# Altium PCB XXXX.687253.007.PcbDoc (part 1 of 2) (continued)
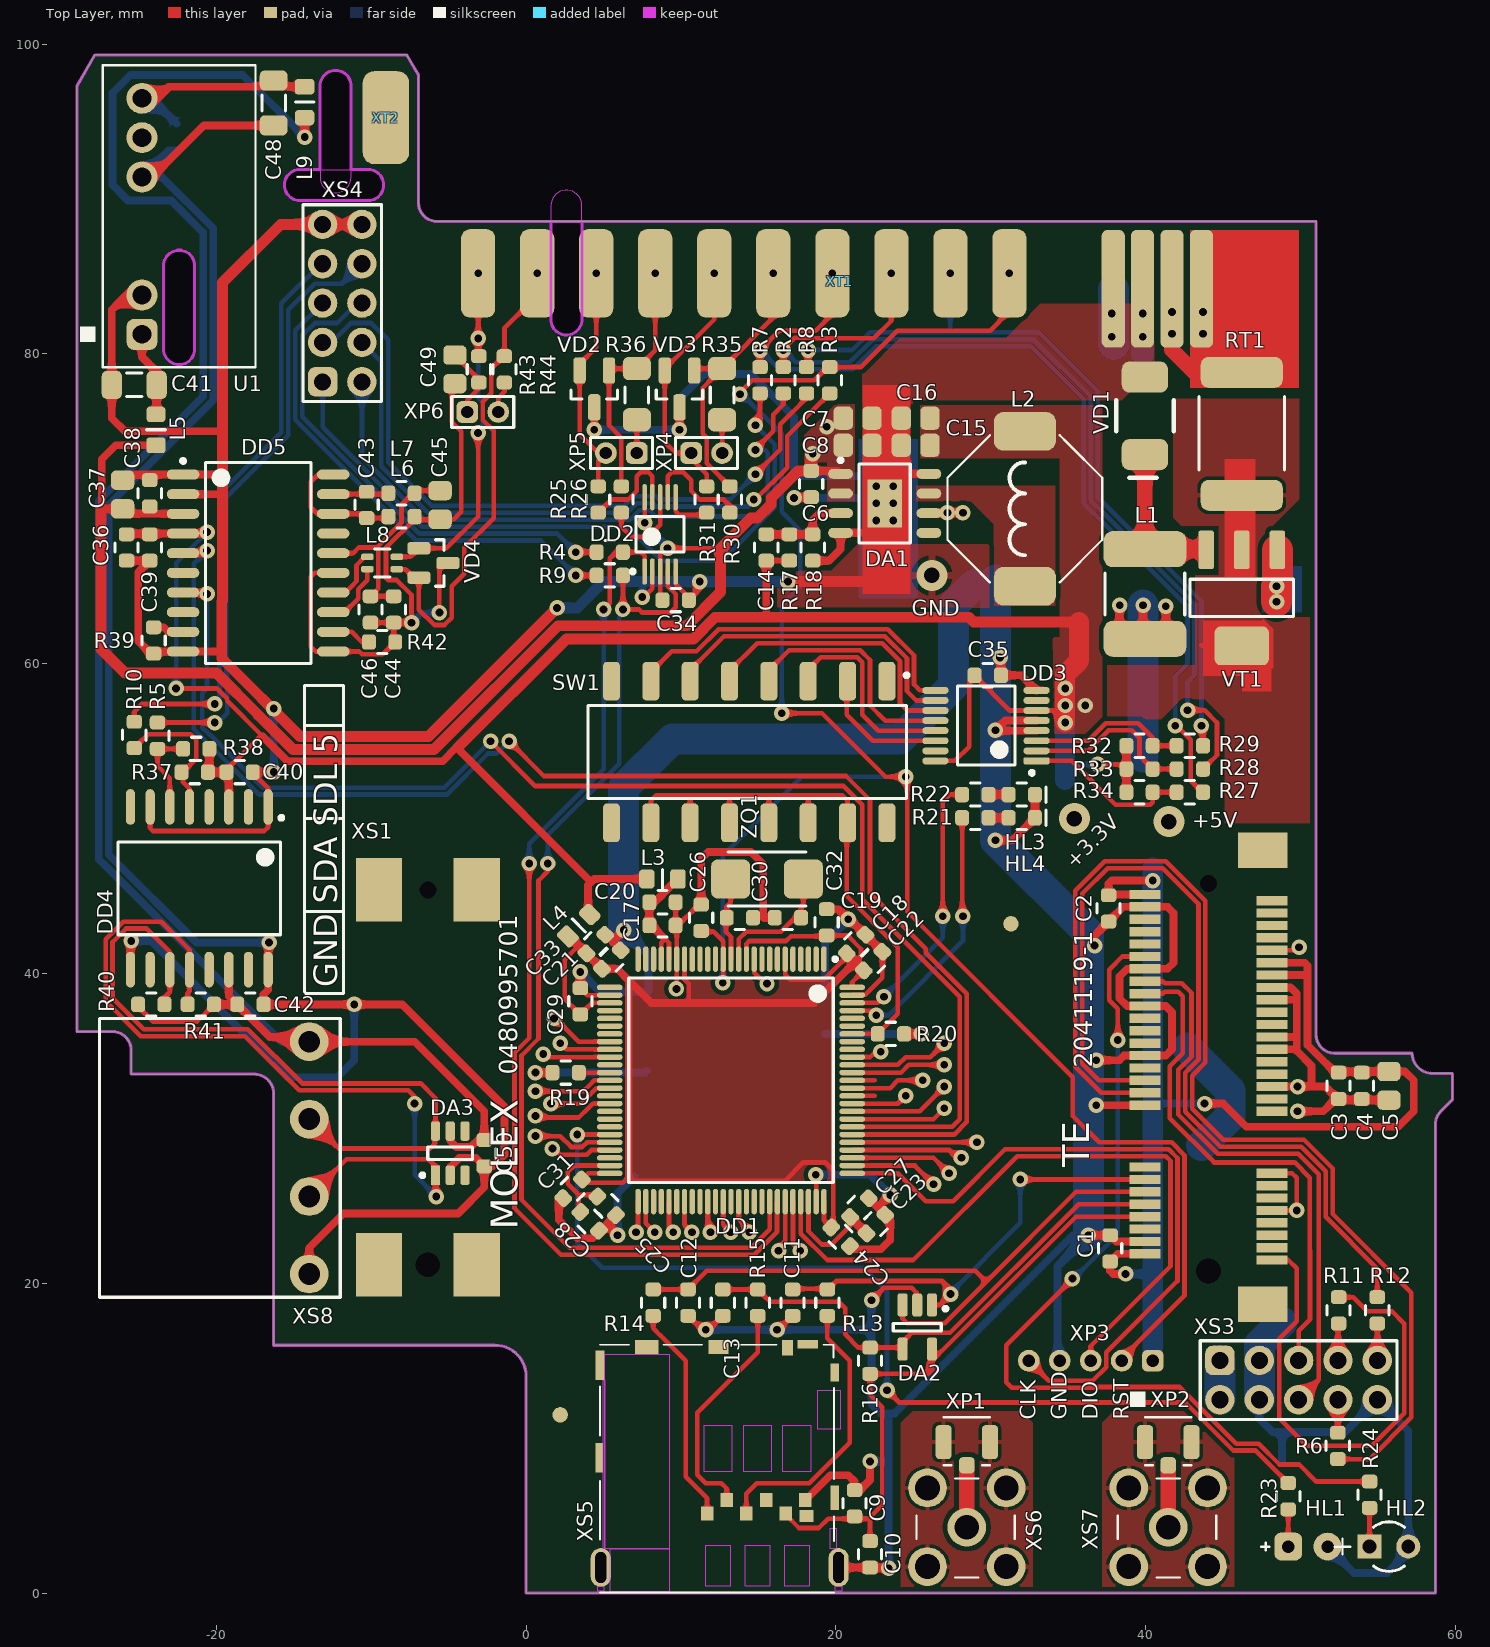
[diagram p0: Top Layer view]
## Footprints (in the part's own frame and the unit in brackets; to place one, negate y for a bottom-side part, rotate by r counter-clockwise, add the part's x,y. Pads: shape width x height; smd on the part's side, far side on the other; paste and mask are expansions set on the pad) (continued)
  Keep-Out Layer region: -0.18,5.67 1.61,5.67 1.61,2.67 -0.18,2.67
  Keep-Out Layer region: -2.72,5.67 -0.93,5.67 -0.93,2.67 -2.72,2.67
  Keep-Out Layer region: -5.26,5.67 -3.47,5.67 -3.47,2.67 -5.26,2.67
  Keep-Out Layer region: -12.14,-4.71 -11.74,-4.71 -11.74,-5.02 -12.14,-5.02
  Keep-Out Layer region: 2.065,7.93 3.515,7.93 3.515,5.42 2.065,5.42
  Keep-Out Layer region: 2.86,-0.95 3.26,-0.95 3.26,-2.3 2.86,-2.3
  Keep-Out Layer region: 3.21,-4.72 3.61,-4.72 3.61,-5.02 3.21,-5.02
  Keep-Out Layer region: -0.08,-2.05 1.51,-2.05 1.51,-4.72 -0.08,-4.72
  Keep-Out Layer region: -2.62,-2.05 -1.03,-2.05 -1.03,-4.72 -2.62,-4.72
  Keep-Out Layer region: -5.16,-2.05 -3.57,-2.05 -3.57,-4.72 -5.16,-4.72
  Keep-Out Layer region: -11.335,-2.3 -7.529,-2.3 -7.529,-5.07 -11.335,-5.07
  Keep-Out Layer region: -11.69,10.27 -7.529,10.27 -7.529,-2.3 -11.69,-2.3
  silkscreen extent -11.99,-5.1 3.11,10.88, body extent -12.01,-5.06 3.48,10.94, height 1.28
0733910080 [mm]
  round 2.5 hole 1.6: 1(-2.54,-2.54) 1(-2.54,2.54) 1(2.54,-2.54) 1(2.54,2.54) 2(0,0)
  silkscreen extent -3.25,-3.25 3.1,3.15, body extent -3.25,-11.65 3.1,3.15, height 10
ABM3 [mm] "MINIATURE CERAMIC SMD CRYSTAL 5x3.2 mm"
  rrect30% 2.5x2.5 smd: 1(-2.35,0) 2(2.35,0)
  silkscreen extent -2.5,-1.75 2.5,1.75, body extent -4.25,-2.25 4.25,2.25, height 1.3
ACM2012-2P [mm] "Chip Inductor, Common Mode Filters, 4-Leads, Body 2.0x1,2mm, IPC Medium Density, IEA 0805"
  rrect50% 0.8x0.4 smd: 1(-0.95,0.4) 2(-0.95,-0.4) 3(0.95,-0.4) 4(0.95,0.4)
  silkscreen extent -0.5,-0.9 0.52,0.9, body extent -1,-0.6 1,0.6, height 1.31
CAPC1608N_SL [mm] "Chip Resistor, Body 1.6x0.8mm, IPC Medium Density"
  rrect50% 0.9x1 smd: 1(-0.85,0) 2(0.85,0)
  silkscreen extent -0.3,-0.75 0.3,0.75, body extent -0.8,-0.4 0.8,0.4, height 0.48
CAPC1608N_sl [mm] "Chip Resistor, Body 1.6x0.8mm, IPC Medium Density"
  rrect50% 0.9x1 smd: 1(-0.85,0) 2(0.85,0)
  silkscreen extent -0.3,-0.75 0.3,0.75, body extent -0.8,-0.4 0.8,0.4, height 0.48
CAPC2012N [mm] "Chip Capacitor, Body 2.0x1.3mm, IPC Medium Density"
  rrect50% 1.25x1.5 smd: 1(-0.925,0) 2(0.925,0)
  body extent -1,-0.6 1,0.6, height 0.43
CAPC3216N [mm] "Chip Capasitor, 2-Leads, Body 3,2x1,6mm, IPC Medium Density"
  rrect50% 1.3x1.8 smd: 1(-1.45,0) 2(1.45,0)
  silkscreen extent -0.51,-0.76 0.51,0.76, body extent -1.6,-0.8 1.6,0.8, height 0.53
DIP_SWITCH-8 [mm]
  rrect50% 2.5x1.1 smd: 1(-4.572,8.89) 2(-4.572,6.35) 3(-4.572,3.81) 4(-4.572,1.27) 5(-4.572,-1.27) 6(-4.572,-3.81) 7(-4.572,-6.35) 8(-4.572,-8.89) 9(4.572,8.89) 10(4.572,6.35) 11(4.572,3.81) 12(4.572,1.27) 13(4.572,-1.27) 14(4.572,-3.81) 15(4.572,-6.35) 16(4.572,-8.89)
  silkscreen extent -5.08,-10.41 3,10.29, body extent -4.76,-10.9 5.14,10.89, height 4.15
DO-214AA(SMB) [mm]
  rrect50% 2x3 smd: 1(2.5,0) 2(-2.5,0)
  silkscreen extent -1,-1.85 4,1.85, body extent -2.65,-1.85 2.65,1.85, height 2.3
Fuse_2920 [mm] "Chip Led RED, 2-Leads, Body 3,2x1,6mm, IPC Medium Density"
  rrect50% 2x5.3 smd: 1(-3.81,0) 2(4.128,0)
  silkscreen extent -2.25,-2.75 2.5,2.75, body extent -3.99,-2.72 3.99,2.72, height 0.4
HL0603_GREEN_SL [mm] "Chip Led, 2-Leads, Body 1.6x0.8mm, IPC Medium Density"
  rrect50% 0.9x1 smd: 1(-0.85,0) 2(0.85,0)
  silkscreen extent -1.55,-0.75 0.3,0.75, body extent -0.8,-0.4 0.8,0.4, height 0.6
HSOP-8 [mm]
  oval 1.6x0.65 smd: 1(-2.85,1.905) 2(-2.85,0.635) 3(-2.85,-0.635) 4(-2.85,-1.905) 5(2.85,-1.905) 6(2.85,-0.635) 7(2.85,0.635) 8(2.85,1.905)
  rect 2.2x3.1 smd: 9(0,0)
  silkscreen extent -2.97,-2.55 1.65,2.9, body extent -3,-2.55 3,2.55, height 1.7
INDC_56x51 [mm] "Chip Inductor, 2-Leads, Body 5,50x5,10mm, IPC Low Density"
  rrect50% 2.32x5.34 smd: 1(-2.895,0) 2(2.895,0)
  silkscreen extent -1.35,-2.57 1.35,2.57, body extent -3,-2.55 3,2.55, height 1.8
L1608N_SL [mm] "Chip Resistor, Body 1.6x0.8mm, IPC Medium Density"
  rrect50% 0.9x1 smd: 1(-0.85,0) 2(0.85,0)
  silkscreen extent -0.3,-0.75 0.3,0.75, body extent -0.8,-0.4 0.8,0.4, height 0.81
L2012N [mm] "Chip Ferrite Bead SMD0805, Body 2.0x1.3mm, IPC Medium Density"
  rrect40% 1x1.25 smd: 1(-1,0)
  rrect50% 1x1.25 smd: 2(1,0)
  silkscreen extent 0,-0.6 0,0.6, body extent -1,-0.6 1,0.6, height 0.43
Led3mm [mm]
  round 1.8 hole 0.8: 1(0,0)
  rrect50% 1.8x1.8 hole 0.8: 2(2.54,0)
  silkscreen extent 3.75,-0.25 4.29,0.25, body extent -0.43,-1.7 2.97,1.7, height 13.45
LED-2.5_G [mm] "Светодиод 3 мм Зеленый"
  round 1.55 hole 0.9: 1(1.25,0)
  rect 1.55x1.55 hole 0.9: 2(-1.25,0)
  silkscreen extent -3.5,-1.6 1,1.6, body extent -1.7,-1.7 1.7,1.7, height 13.45
LQFP100 [mm] "TSQFP, 100-Leads, Body 14,00x14,00mm, Pitch 0,50mm, IPC Low Density"
  oval 1.65x0.35 smd: 1(-7.825,6) 2(-7.825,5.5) 3(-7.825,5) 4(-7.825,4.5) 5(-7.825,4) 6(-7.825,3.5) 7(-7.825,3) 8(-7.825,2.5) 9(-7.825,2) 10(-7.825,1.5) 11(-7.825,1) 12(-7.825,0.5) 13(-7.825,0) 14(-7.825,-0.5) 15(-7.825,-1) 16(-7.825,-1.5) 17(-7.825,-2) 18(-7.825,-2.5) 19(-7.825,-3) 20(-7.825,-3.5) 21(-7.825,-4) 22(-7.825,-4.5) 23(-7.825,-5) 24(-7.825,-5.5) 25(-7.825,-6) 51(7.825,-6) 52(7.825,-5.5) 53(7.825,-5) 54(7.825,-4.5) 55(7.825,-4) 56(7.825,-3.5) 57(7.825,-3) 58(7.825,-2.5) 59(7.825,-2) 60(7.825,-1.5) 61(7.825,-1) 62(7.825,-0.5) 63(7.825,0) 64(7.825,0.5) 65(7.825,1) 66(7.825,1.5) 67(7.825,2) 68(7.825,2.5) 69(7.825,3) 70(7.825,3.5) 71(7.825,4) 72(7.825,4.5) 73(7.825,5) 74(7.825,5.5) 75(7.825,6)
  oval 0.35x1.65 smd: 26(-6,-7.825) 27(-5.5,-7.825) 28(-5,-7.825) 29(-4.5,-7.825) 30(-4,-7.825) 31(-3.5,-7.825) 32(-3,-7.825) 33(-2.5,-7.825) 34(-2,-7.825) 35(-1.5,-7.825) 36(-1,-7.825) 37(-0.5,-7.825) 38(0,-7.825) 39(0.5,-7.825) 40(1,-7.825) 41(1.5,-7.825) 42(2,-7.825) 43(2.5,-7.825) 44(3,-7.825) 45(3.5,-7.825) 46(4,-7.825) 47(4.5,-7.825) 48(5,-7.825) 49(5.5,-7.825) 50(6,-7.825) 76(6,7.825) 77(5.5,7.825) 78(5,7.825) 79(4.5,7.825) 80(4,7.825) 81(3.5,7.825) 82(3,7.825) 83(2.5,7.825) 84(2,7.825) 85(1.5,7.825) 86(1,7.825) 87(0.5,7.825) 88(0,7.825) 89(-0.5,7.825) 90(-1,7.825) 91(-1.5,7.825) 92(-2,7.825) 93(-2.5,7.825) 94(-3,7.825) 95(-3.5,7.825) 96(-4,7.825) 97(-4.5,7.825) 98(-5,7.825) 99(-5.5,7.825) 100(-6,7.825)
  silkscreen extent -7.95,-6.6 6.6,6.85, body extent -8,-8 8,8, height 1.6
MEJ1S1205SC [mm]
  rrect50% 2x2 hole 1.2: 1(0,0)
  round 2 hole 1.2 unplated: 2(2.54,0) 5(10.16,0) 6(12.7,0) 7(15.24,0)
  silkscreen extent -2.13,-7.33 17.37,4, body extent -2.13,-7.28 17.37,2.54, height 12.51
Pad_1.3X0.8 [mm]
  rrect50% 3x6 all layers, no hole: 1(0,0)
pads12 [mm] "Резистор 1 Вт"
  rrect50% 2.2x5.7 hole 0.5: 1(0,0) 2(3.81,0) 3(7.62,0) 4(11.43,0) 5(15.24,0) 6(19.05,0) 7(22.86,0) 8(26.67,0) 9(30.48,0) 10(34.29,0)
  rrect50% 1.5x7.6 smd: 11(41,-1) 11(42.89,-1) 12(44.79,-1) 12(46.69,-1)
  rrect50% 1.5x7.6 smd far side: 13(41,-1) 13(42.89,-1) 14(44.79,-1) 14(46.69,-1)
pbD-10 [mm] "Перемычка 2 контакта.  Шаг 2.54 мм"
  rrect50% 1.9x1.9 hole 1.1: 1(0,0)
  round 1.9 hole 1.1: 2(0,2.54) 3(-2.54,0) 4(-2.54,2.54) 5(-5.08,0) 6(-5.08,2.54) 7(-7.62,0) 8(-7.62,2.54) 9(-10.16,0) 10(-10.16,2.54)
  silkscreen extent -11.43,-1.27 1.27,3.81, body extent -11.43,-1.27 1.27,3.81, height 8.4
PLS2-2 [mm]
  rrect50% 1.4x1.4 hole 0.8: 1(-1,0)
  round 1.4 hole 0.8: 2(1,0)
  silkscreen extent -2,-1 2,1, body extent -2,-1 2,1, height 6
PLS2-5 [mm]
  rrect50% 1.4x1.4 hole 0.8: 1(-1,0)
  round 1.4 hole 0.8: 2(1,0) 3(3,0) 4(5,0) 5(7,0)
  silkscreen extent -0.55,2 0.45,3, body extent -2,-1 8,1, height 6
RESC1608N_SL [mm] "Chip Resistor, Body 1.6x0.8mm, IPC Medium Density"
  rrect50% 0.9x1 smd: 1(-0.85,0) 2(0.85,0)
  silkscreen extent -0.3,-0.75 0.3,0.75, body extent -0.8,-0.4 0.8,0.4, height 0.48
RESC3216N [mm] "Chip Resistor, 2-Leads, Body 3,2x1,6mm, IPC Medium Density"
  rrect50% 1.5x1.8 smd: 1(-1.6,0) 2(1.7,0)
  Top Layer pour cut-out: -0.6,0.9 -0.6,-0.9 0.6,-0.9 0.6,0.9
  silkscreen extent -0.51,-0.76 0.51,0.76, body extent -1.6,-0.8 1.6,0.8, height 0.53
SOIC20 [mm] "SOIC, 20-Leads, Body 12,80x7,50mm, Pitch 1,27mm, IPC Low Density"
  oval 2.1x0.65 smd: 1(-4.85,5.715) 2(-4.85,4.445) 3(-4.85,3.175) 4(-4.85,1.905) 5(-4.85,0.635) 6(-4.85,-0.635) 7(-4.85,-1.905) 8(-4.85,-3.175) 9(-4.85,-4.445) 10(-4.85,-5.715) 11(4.85,-5.715) 12(4.85,-4.445) 13(4.85,-3.175) 14(4.85,-1.905) 15(4.85,-0.635) 16(4.85,0.635) 17(4.85,1.905) 18(4.85,3.175) 19(4.85,4.445) 20(4.85,5.715)
  silkscreen extent -4.97,-6.5 3.4,6.71, body extent -5.16,-6.5 5.16,6.5, height 2.65
SOIC127P1030_16N [mm] "SOIC WIDTH, 16-Leads, Body 10.3x7.5mm, Pitch 1.27mm, IPC Medium Density"
  oval 2.3x0.6 smd: 1(-5.25,4.445) 2(-5.25,3.175) 3(-5.25,1.905) 4(-5.25,0.635) 5(-5.25,-0.635) 6(-5.25,-1.905) 7(-5.25,-3.175) 8(-5.25,-4.445) 9(5.25,-4.445) 10(5.25,-3.175) 11(5.25,-1.905) 12(5.25,-0.635) 13(5.25,0.635) 14(5.25,1.905) 15(5.25,3.175) 16(5.25,4.445)
  silkscreen extent -4.67,-5.25 3,5.42, body extent -5.31,-5.25 5.32,5.25, height 2.66
SOT23-3L [mm] "SOT23, 3-Leads, Body 2.9x1.3mm, Pitch 0.95mm, Lead Span 2.5mm, IPC Medium Density"
  rrect50% 1.7x0.8 smd: 1(-1.075,0.95) 2(-1.075,-0.95) 3(1.3,0)
  rrect50% 1.3x0.8 on Mech16: p(-1.075,0.95) p(-1.075,-0.95) p(1.3,0)
  silkscreen extent 0.2,-1.5 0.75,1.5, body extent -1.2,-1.5 1.3,1.5, height 1.12
SOT23-3N [mm] "SOT23, 3-Leads, Body 2.9x1.3mm, Pitch 0.95mm, Lead Span 2.5mm, IPC Medium Density"
  rrect50% 1.5x0.8 smd: 1(-0.875,0.95) 2(-0.875,-0.95) 3(1,0)
  rrect50% 1.3x0.8 on Mech16: p(-0.875,0.95) p(-0.875,-0.95) p(1,0)
  silkscreen extent 0.2,-1.5 0.75,1.5, body extent -1.2,-1.5 1.3,1.5, height 1.12
SOT23-5AN [mm] "SOT23, 5-Leads, Body 2.9x1.6mm, Pitch 0.95mm, Lead Span 2.8mm, IPC Medium Density"
  rrect50% 1.5x0.65 smd: 1(-1.425,0.95) 2(-1.425,0) 3(-1.425,-0.95) 4(1.425,-0.95) 5(1.425,0.95)
  silkscreen extent -1.31,-1.55 0.26,1.95, body extent -1.59,-1.6 1.61,1.5, height 1.45
SOT230P700X180-3M [mm] "SOT223, 4-Leads, Body 6,45x7,00mm (avg), Pitch 2,30mm, IPC Low Density"
  rrect30% 2.5x1 smd: 1(-3.1,2.3) 2(-3.1,0) 3(-3.1,-2.3)
  rrect30% 2.5x3.5 smd: 2(3.1,0)
  rrect50% 2x1 on Mech16: p(-3.1,0) p(-3.1,-2.3) p(-3.1,2.3)
  rrect50% 2x3 on Mech16: p(3.1,0)
  silkscreen extent -1.2,-3.35 1.2,3.35, body extent -3.48,-3.25 3.48,3.25, height 1.7
sru1048 [mm]
  rrect50% 2.5x4 smd: 1(0,0) 2(10,0)
  silkscreen extent 0.25,-5 9.75,5, body extent 0,-5 10,5, height 4.8
TSOP65P640X110-16N [mm] "TSOP, 16-Leads, Body 5,00x4,40mm, Pitch 0,65mm, IPC Medium Density"
  rrect50% 1.7x0.45 smd: 1(-3.25,2.275)
  oval 1.7x0.45 smd: 2(-3.25,1.625) 3(-3.25,0.975) 4(-3.25,0.325) 5(-3.25,-0.325) 6(-3.25,-0.975) 7(-3.25,-1.625) 8(-3.25,-2.275) 9(3.275,-2.275) 10(3.275,-1.625) 11(3.275,-0.975) 12(3.275,-0.325) 13(3.275,0.325) 14(3.275,0.975) 15(3.275,1.625) 16(3.275,2.275)
  silkscreen extent -3.08,-2.55 1.85,3.17, body extent -3.2,-2.5 3.2,2.5, height 1.1
TSOT26 [mm] "SOT23, 6-Leads, Body 2,90x2,80mm, Pitch 0,95mm, IPC Low Density"
  rect 1.25x0.6 smd: 1(-1.425,0.95)
  rrect50% 1.25x0.6 smd: 2(-1.425,0) 3(-1.425,-0.95) 4(1.425,-0.95) 5(1.425,0) 6(1.425,0.95)
  silkscreen extent -1.55,-1.45 0.4,1.92, body extent -1.4,-1.45 1.4,1.45, height 1
VSOP-10 [mm]
  oval 1.7x0.3 smd: 1(-2.4,1) 2(-2.4,0.5) 3(-2.4,0) 4(-2.4,-0.5) 5(-2.4,-1) 6(2.4,-1) 7(2.4,-0.5) 8(2.4,0) 9(2.4,0.5) 10(2.4,1)
  silkscreen extent -2.52,-1.55 1.15,1.9, body extent -2.45,-1.55 2.45,1.55, height 1.1

## Part data
C1 C2 C3 C4 C6 C9 C17 C18 C21 C22 C24 C26 C27 C28 C29 C31 C32 C34 C35 C38 C39 C40 C42 C43 C46 C47 C50: library part CC0603KRX7R9BB104_Yageo, "CAP CER 0.1UF 50V 10% X7R 0603", Manufacturer=Yageo, ManufacturerPartNumber=CC0603KRX7R9BB104, Operating Temperature="-55°C ~ +125°C", Tolerance="± 10 %", ValueBOM="Конденсатор CC0603KRX7R9BB104 \"Yageo\" (0,1 мкФ ± 10 %, 50 В,X7R, SMD 0603)", Voltage="50 В", ComponentLink2Description="Manufacturer Link", ComponentLink2URL=http://www.yageo.com/, ComponentLink3Description=Datasheet, ComponentLink3URL=http://www.yageo.com/documents/recent/UPY-GPHC_X7R_6.3V-to-50V-v12.pdf, Modify=06.07.2015, PartNumber=CC0603KRX7R9BB104_Yageo, Sorting=100000, Supplier=Digi-Key, Supplier P/N=311-1344-1-ND, TKE=X7R, Автор="Хоменко С.П.", Количество1=10, Количество2=100, Разрешен к применению=True, Цена1=0,027, Цена2=0,0125
C5 C7 C8 C15 C16: library part "GCM21BR71A106KE22L_Murata Electronics", "CAP CER 10UF 10V 10% X7R 0805", Manufacturer="Murata Electronics", ManufacturerPartNumber=GCM21BR71A106KE22L, Operating Temperature="-55°C ~ +125°C", Tolerance="± 10 %", ValueBOM="Конденсатор GCM21BR71A106KE22L \"Murata Electronics\" (10 мкФ ± 10 %, 10 В, X7R, SMD 0805)", Voltage="10 В", ComponentLink2Description="Manufacturer Link", ComponentLink2URL=http://www.murata.com/, ComponentLink3Description=Datasheet, ComponentLink3URL=http://search.murata.co.jp/Ceramy/image/img/w_hinm/S0717E.pdf, Modify=07.09.2015, PartNumber="GCM21BR71A106KE22L_Murata Electronics", Sorting=10000000, Supplier=Digi-Key, Supplier P/N=490-10674-1-ND, TKE=X7R, Автор="Хоменко С.П.", Количество1=10, Количество2=50, Разрешен к применению=False, Цена1=0,496, Цена2=0,296
C10 C11 C12 C13 C14: library part CC0603JRNPO9BN330_Yageo, "CAP CER 33PF 50V NPO 0603", Manufacturer=Yageo, ManufacturerPartNumber=CC0603JRNPO9BN330, Operating Temperature="-55°C ~ +125°C", Tolerance="± 5 %", ValueBOM="Конденсатор CC0603JRNPO9BN330 \"Yageo\" (33 пФ ± 5 %, 50 В, NP0, SMD 0603)", Voltage="50 В", ComponentLink2Description="Manufacturer Link", ComponentLink2URL=http://www.yageo.com/, ComponentLink3Description=Datasheet, ComponentLink3URL=http://www.yageo.com/documents/recent/UPY-GP_NP0_16V-to-50V_10.pdf, Modify=22.01.2016, PartNumber=CC0603JRNPO9BN330_Yageo, Sorting=33, Supplier=Digi-Key, Supplier P/N=311-1064-1-ND, TKE=NP0, Автор="Хоменко С.П.", Количество1=10, Количество2=25, Разрешен к применению=True, Цена1=0,029, Цена2=0,0204
C19 C30: library part CC0603JRNPO9BN200_Yageo, "CAP CER 20PF 50V 5% NPO 0603", Manufacturer=Yageo, ManufacturerPartNumber=CC0603JRNPO9BN200, Operating Temperature="-55°C ~ +125°C", Tolerance="± 5 %", ValueBOM="Конденсатор CC0603JRNPO9BN200 \"Yageo\" (20 пФ ± 10 %, 50 В,NP0, SMD 0603)", Voltage="50 В", ComponentLink2Description="Manufacturer Link", ComponentLink2URL=http://www.yageo.com/, ComponentLink3Description=Datasheet, ComponentLink3URL=http://www.yageo.com/documents/recent/UPY-GPHC_X7R_6.3V-to-50V-v12.pdf, Modify=12.08.2015, PartNumber=CC0603JRNPO9BN200_Yageo, Sorting=20, Supplier=Digi-Key, Supplier P/N=311-1424-1-ND, TKE=NP0, Автор="Хоменко С.П.", Количество1=10, Количество2=25, Разрешен к применению=True, Цена1=0,031, Цена2=0,0216
C20: library part CC0603KRX7R7BB105_Yageo, "CAP CER 1UF 16V 10% X7R 0603", Manufacturer=Yageo, ManufacturerPartNumber=CC0603KRX7R7BB105, Operating Temperature="-55°C ~ +125°C", Tolerance="± 10 %", ValueBOM="Конденсатор CC0603KRX7R7BB105 \"Yageo\" (1 мкФ ± 10 %, 16 В,X7R, SMD 0603)", Voltage="16 В", ComponentLink2Description="Manufacturer Link", ComponentLink2URL=http://www.yageo.com/, ComponentLink3Description=Datasheet, ComponentLink3URL=http://www.yageo.com/documents/recent/UPY-GPHC_X7R_6.3V-to-50V-v12.pdf, Modify="12.08.2015 16:30:29", PartNumber=CC0603KRX7R7BB105_Yageo, Sorting=1000000, Supplier=Digi-Key, Supplier P/N=311-1446-1-ND, TKE=X7R, Автор="Хоменко С.П.", Количество1=10, Количество2=25, Разрешен к применению=True, Цена1=0,44, Цена2=0,031
C23 C25: library part "GRM188R71A225KE15D_Murata Electronics", "CAP CER 2.2UF 10V X7R 0603", Manufacturer="Murata Electronics", ManufacturerPartNumber=GRM188R71A225KE15D, Operating Temperature="-55°C ~ +125°C", Tolerance="± 10 %", ValueBOM="Конденсатор GRM188R71A225KE15D \"Murata Electronics\" (2,2 мкФ ± 10 %, 10 В, X7R, SMD 0603)", Voltage="10 В", ComponentLink2Description="Manufacturer Link", ComponentLink2URL=http://www.murata.com/, ComponentLink3Description=Datasheet, ComponentLink3URL=http://www.murata.com/~/media/webrenewal/support/library/catalog/products/capacitor/mlcc/c02e.pdf, Modify="29.03.2016 8:54:49", PartNumber="GRM188R71A225KE15D_Murata Electronics", Sorting=2200000, Supplier=Digi-Key, Supplier P/N=490-4520-1-ND, TKE=X7R, Автор="Хоменко С.П.", Количество1=1, Количество2=10, Разрешен к применению=False, Цена1=0,34, Цена2=0,28
C33: library part CC0603KRX5R6BB475_Yageo, "CAP CER 4.7UF 10V 10% X5R 0603", Manufacturer=Yageo, ManufacturerPartNumber=CC0603KRX5R6BB475, Operating Temperature="-55°C ~ +125°C", Tolerance="± 10 %", ValueBOM="Конденсатор CC0603KRX5R6BB475 \"Yageo\" (4,7 мкФ ± 10 %, 10 В, X5R, SMD 0603)", Voltage="10 В", ComponentLink2Description="Manufacturer Link", ComponentLink2URL=http://www.yageo.com/, ComponentLink3Description=Datasheet, ComponentLink3URL=http://www.yageo.com/documents/recent/UPY-GPHC_X5R_4V-to-50V_19.pdf, Modify="12.08.2015 16:02:03", PartNumber=CC0603KRX5R6BB475_Yageo, Sorting=4700000, Supplier=Digi-Key, Supplier P/N=311-1455-1-ND, TKE=X5R, Автор="Хоменко С.П.", Количество1=1, Количество2=10, Разрешен к применению=False, Цена1=0,14, Цена2=0,095
C36 C44: library part CC0603KPX7R9BB103_Yageo, "CAP CER 10000PF 50V 10% X7R 0603", Manufacturer=Yageo, ManufacturerPartNumber=CC0603KPX7R9BB103, Operating Temperature="-55°C ~ +125°C", Tolerance="± 10 %", ValueBOM="Конденсатор CC0603KPX7R9BB103 \"Yageo\" (0,01 мкФ ± 10 %, 50 В,X7R, SMD 0603)", Voltage="50 В", ComponentLink2Description="Manufacturer Link", ComponentLink2URL=http://www.yageo.com/, ComponentLink3Description=Datasheet, ComponentLink3URL=http://www.yageo.com/documents/recent/UPY-GPHC_X7R_6.3V-to-50V-v12.pdf, Modify=06.07.2015, PartNumber=CC0603KPX7R9BB103_Yageo, Sorting=10000, Supplier=Digi-Key, Supplier P/N=311-1572-1-ND, TKE=X7R, Автор="Хоменко С.П.", Количество1=10, Количество2=100, Разрешен к применению=True, Цена1=0,019, Цена2=0,0089
C37 C45: library part CC0805KKX5R7BB106_Yageo, "CAP CER 10UF 16V 10% X5R 0805", Manufacturer=Yageo, ManufacturerPartNumber=CC0805KKX5R7BB106, Operating Temperature="-55°C ~ +125°C", Tolerance="± 10 %", ValueBOM="Конденсатор CC0805KKX5R7BB106 \"Yageo\" (10 мкФ ± 10 %, 16 В, X5R, SMD 0805)", Voltage="16 В", ComponentLink2Description="Manufacturer Link", ComponentLink2URL=http://www.yageo.com/, ComponentLink3Description=Datasheet, ComponentLink3URL=http://www.yageo.com/documents/recent/UPY-GPHC_X7R_6.3V-to-50V-v12.pdf, Modify=14.08.2015, PartNumber=CC0805KKX5R7BB106_Yageo, Sorting=10000000, Supplier=Digi-Key, Supplier P/N=311-1865-1-ND, TKE=X5R, Автор="Хоменко С.П.", Количество1=10, Количество2=100, Разрешен к применению=True, Цена1=0,134, Цена2=0,06810
C41 C48: library part CC1206KKX7R9BB225_Yageo, "CAP CER 2.2UF 50V 10% X7R 1206", Manufacturer=Yageo, ManufacturerPartNumber=CC1206KKX7R9BB225, Operating Temperature="-55°C ~ +125°C", Package Description="Chip Capasitor, 2-Leads, Body 3,2x1,6mm, IPC Medium Density", Tolerance="± 10 %", ValueBOM="Конденсатор CC1206KKX7R9BB225 \"Yageo\" (2,2 мкФ ± 10 %, 50 В, X7R, SMD 1206)", Voltage="50 В", ComponentLink2Description="Manufacturer Link", ComponentLink2URL=http://www.yageo.com/, ComponentLink3Description=Datasheet, ComponentLink3URL=http://www.yageo.com/documents/recent/UPY-GPHC_X7R_6.3V-to-50V-v12.pdf, Modify=13.08.2015, PartNumber=CC1206KKX7R9BB225_Yageo, Sorting=2200000, Supplier=Digi-Key, Supplier P/N=311-1964-1-ND, TKE=X7R, Автор="Хоменко С.П.", Количество1=10, Количество2=25, Разрешен к применению=True, Цена1=0,292, Цена2=0,201
C49: library part "GRM2165C1H472JA01D_Murata Electronics", "CAP CE47000PF 50V C0G/NP0 0805", Manufacturer="Murata Electronics", ManufacturerPartNumber=GRM2165C1H472JA01D, Operating Temperature="-55°C ~ +125°C", Tolerance="± 10 %", ValueBOM="Конденсатор GRM2165C1H472JA01D \"Murata Electronics\" (4700 пФ ± 10 %, 50 В, NP0, COG, SMD 0805)", Voltage="50 В", ComponentLink2Description="Manufacturer Link", ComponentLink2URL=http://www.murata.com/, ComponentLink3Description=Datasheet, ComponentLink3URL=http://search.murata.co.jp/Ceramy/image/img/A01X/partnumbering_e_01.pdf, Modify=01.09.2017, PartNumber="GRM2165C1H472JA01D_Murata Electronics", Sorting=4700, Supplier=Digi-Key, Supplier P/N=490-1631-1-ND, TKE="NP0, COG", Автор="Ткаченко М.", Количество1=1, Количество2=10, Разрешен к применению=True, Цена1=0,28, Цена2=0,19
DA1: library part ST1S40IPHR_STMicroelectronics, "IC REG BUCK ADJ 3A SYNC 8-HSOP", Current="3 A", Manufacturer=STMicroelectronics, Operating Temperature="-40°C ~ +85°C", Package=HSOP-8, ValueBOM="Микросхема  ST1S40IPHR STMicroelectronics", Voltage="3,0  - 18  В", ComponentLink2Description="Manufacturer Link", ComponentLink2URL=http://www.st.com, ComponentLink3Description=Datasheet, ComponentLink3URL=http://www.st.com/content/ccc/resource/technical/document/datasheet/56/bd/d6/2b/e1/d4/49/d9/CD00284753.pdf/files/CD00284753.pdf/_jcr_content/translations/en.CD00284753.pdf, Expr1007="3,0  - 18  В", Expr1008="3 A", ManufacturerPartNumber=ST1S40IPHR, Modify="07.08.2017 17:29:54", PartNumber=ST1S40IPHR_STMicroelectronics, SMD mounting=True, Supplier=Digi-Key, Supplier P/N=497-13025-1-ND, Автор="Ткаченко М.", Количество1=1, Количество2=10, Разрешен к применению=True, Цена1=1,6, Цена2=1,5
DA2: library part ESDA5V3SC5_STMicroelectronics, "TVS DIODE 3V SOT23-5L", Current="500 W", Manufacturer=STMicroelectronics, Operating Temperature="-40°C ~ +85°C", Package Description="Корпус SOT23-5", ValueBOM="TVS диод ESDA5V3SC5 \"STMicroelectronics\" SOT23-5", Voltage="5,0 В", ComponentLink2Description="Manufacturer Link", ComponentLink2URL=http://www.st.com, ComponentLink3Description=Datasheet, ManufacturerPartNumber=ESDA5V3SC5, Marking=EC53, Modify="15.04.2019 14:38:55", PartNumber=ESDA5V3SC5_STMicroelectronics, Supplier=Digi-Key, Supplier P/N=497-7746-1-ND, Автор="Ткаченко М.", Количество1=1, Количество2=10, Разрешен к применению=True, Цена1=0,42, Цена2=0,35
DA3: library part "DT1446-04TS-7_Diodes Incorporated", "8.5V Clamp 4.7A (8/20µs) Ipp Tvs Diode Surface Mount TSOT-26", Manufacturer="Diodes Incorporated", Operating Temperature="-55°C ~ +150°C", ValueBOM="TVS диод DT1446-04TS-7 \"Diodes Incorporated\" SOT26-6", Voltage="5,0 В", ComponentLink2Description="Manufacturer Link", ComponentLink2URL=http://www.diodes.com/, ComponentLink3Description=Datasheet, ComponentLink3URL=https://www.diodes.com/assets/Datasheets/DT1446-04TS.pdf, ManufacturerPartNumber=DT1446-04TS-7, Marking=BE2, Modify="10.04.2019 8:16:04", PartNumber="DT1446-04TS-7_Diodes Incorporated", Supplier=Digi-Key, Supplier P/N=DT1446-04TS-7DICT-ND, Автор="Ткаченко М.", Количество1=1, Количество2=10, Разрешен к применению=True, Цена1=0,47, Цена2=0,4
DD1: library part STM32F407VET6_STMicroelectronics, "STM32F407VET6, Микроконтроллер 32-Бит, Cortex-M4 + FPU, 168МГц, 512КБ Flash, USB OTG HS/FS, Ethernet [LQFP-100]", Current="150 мА", Manufacturer=STMicroelectronics, Operating Temperature="-40°C ~ +85°C", ValueBOM="Микросхема  STM32F407VET6 \"STMicroelectronics\"", Voltage="3,3 В", ClassName=MCU, ComponentLink2Description="Manufacturer Link", ComponentLink2URL=http://www.st.com, ComponentLink3Description=Datasheet, ComponentLink3URL=https://www.st.com/content/ccc/resource/technical/document/datasheet/ef/92/76/6d/bb/c2/4f/f7/DM00037051.pdf/files/DM00037051.pdf/jcr:content/translations/en.DM00037051.pdf, ManufacturerPartNumber=STM32F407VET6, Modify="19.03.2019 12:03:35", PartNumber=STM32F407VET6_STMicroelectronics, Supplier=ChipDip, Supplier P/N=9000135994, Автор="Ткаченко М.", Количество1=1, Количество2=10, Разрешен к применению=True, Цена1=7,5, Цена2=7,5
DD2: library part "THVD1512DGSR_Texas Instruments", "1/1 Transceiver Full RS485 10-VSSO", Current="50 мА", Manufacturer="Texas Instruments", Operating Temperature="-40°C ~ +85°C", ValueBOM="Микросхема  THVD1512DGSR \"Texas Instruments\"", Voltage="5,0 В", ClassName=RS422_M, ComponentLink2Description="Manufacturer Link", ComponentLink2URL=http://www.ti.com/, ComponentLink3Description=Datasheet, ComponentLink3URL=http://www.ti.com/lit/ds/symlink/thvd1510.pdf, ManufacturerPartNumber=THVD1512DGSR, Modify="15.03.2019 18:33:02", PartNumber="THVD1512DGSR_Texas Instruments", Supplier=Digi-Key, Supplier P/N=296-51652-1-ND, Автор="Ткаченко М.", Количество1=1, Количество2=10, Разрешен к применению=True, Цена1=2,58, Цена2=2,3
DD3: library part "CD74HCT238PWR_Texas Instruments", "IC 3-8 DECODE/DEMUX HS 16-TSSOP", Current="50 мА", Manufacturer="Texas Instruments", Operating Temperature="-40°C ~ +125°C", Package Description="Корпус микросхемы", ValueBOM="Микросхема  CD74HCT238PWR \"Texas Instruments\" TSSOP16", Voltage="3,3 В", ClassName=sel, ComponentLink2Description="Manufacturer Link", ComponentLink2URL=http://www.ti.com/, ComponentLink3Description=Datasheet, ComponentLink3URL=http://www.ti.com/lit/ds/symlink/cd74hc138.pdf, ManufacturerPartNumber=CD74HCT238PWR, Modify="16.03.2019 15:47:50", PartNumber="CD74HCT238PWR_Texas Instruments", Supplier=Digi-Key, Supplier P/N=296-31606-1-ND, Автор="Ткаченко М.", Количество1=1, Количество2=10, Разрешен к применению=True, Цена1=0,61, Цена2=0,54